# Altium PCB controller_V1.1.PcbDoc (part 1 of 6)
Units mm, origin at the board's own origin, x right, y up, seen from the top; angles counter-clockwise.
Board outline 150 x 150 mm, 2 copper layers (Top Layer, Bottom Layer); 287 components, 242 nets, 1096 pads, 5968 vias.
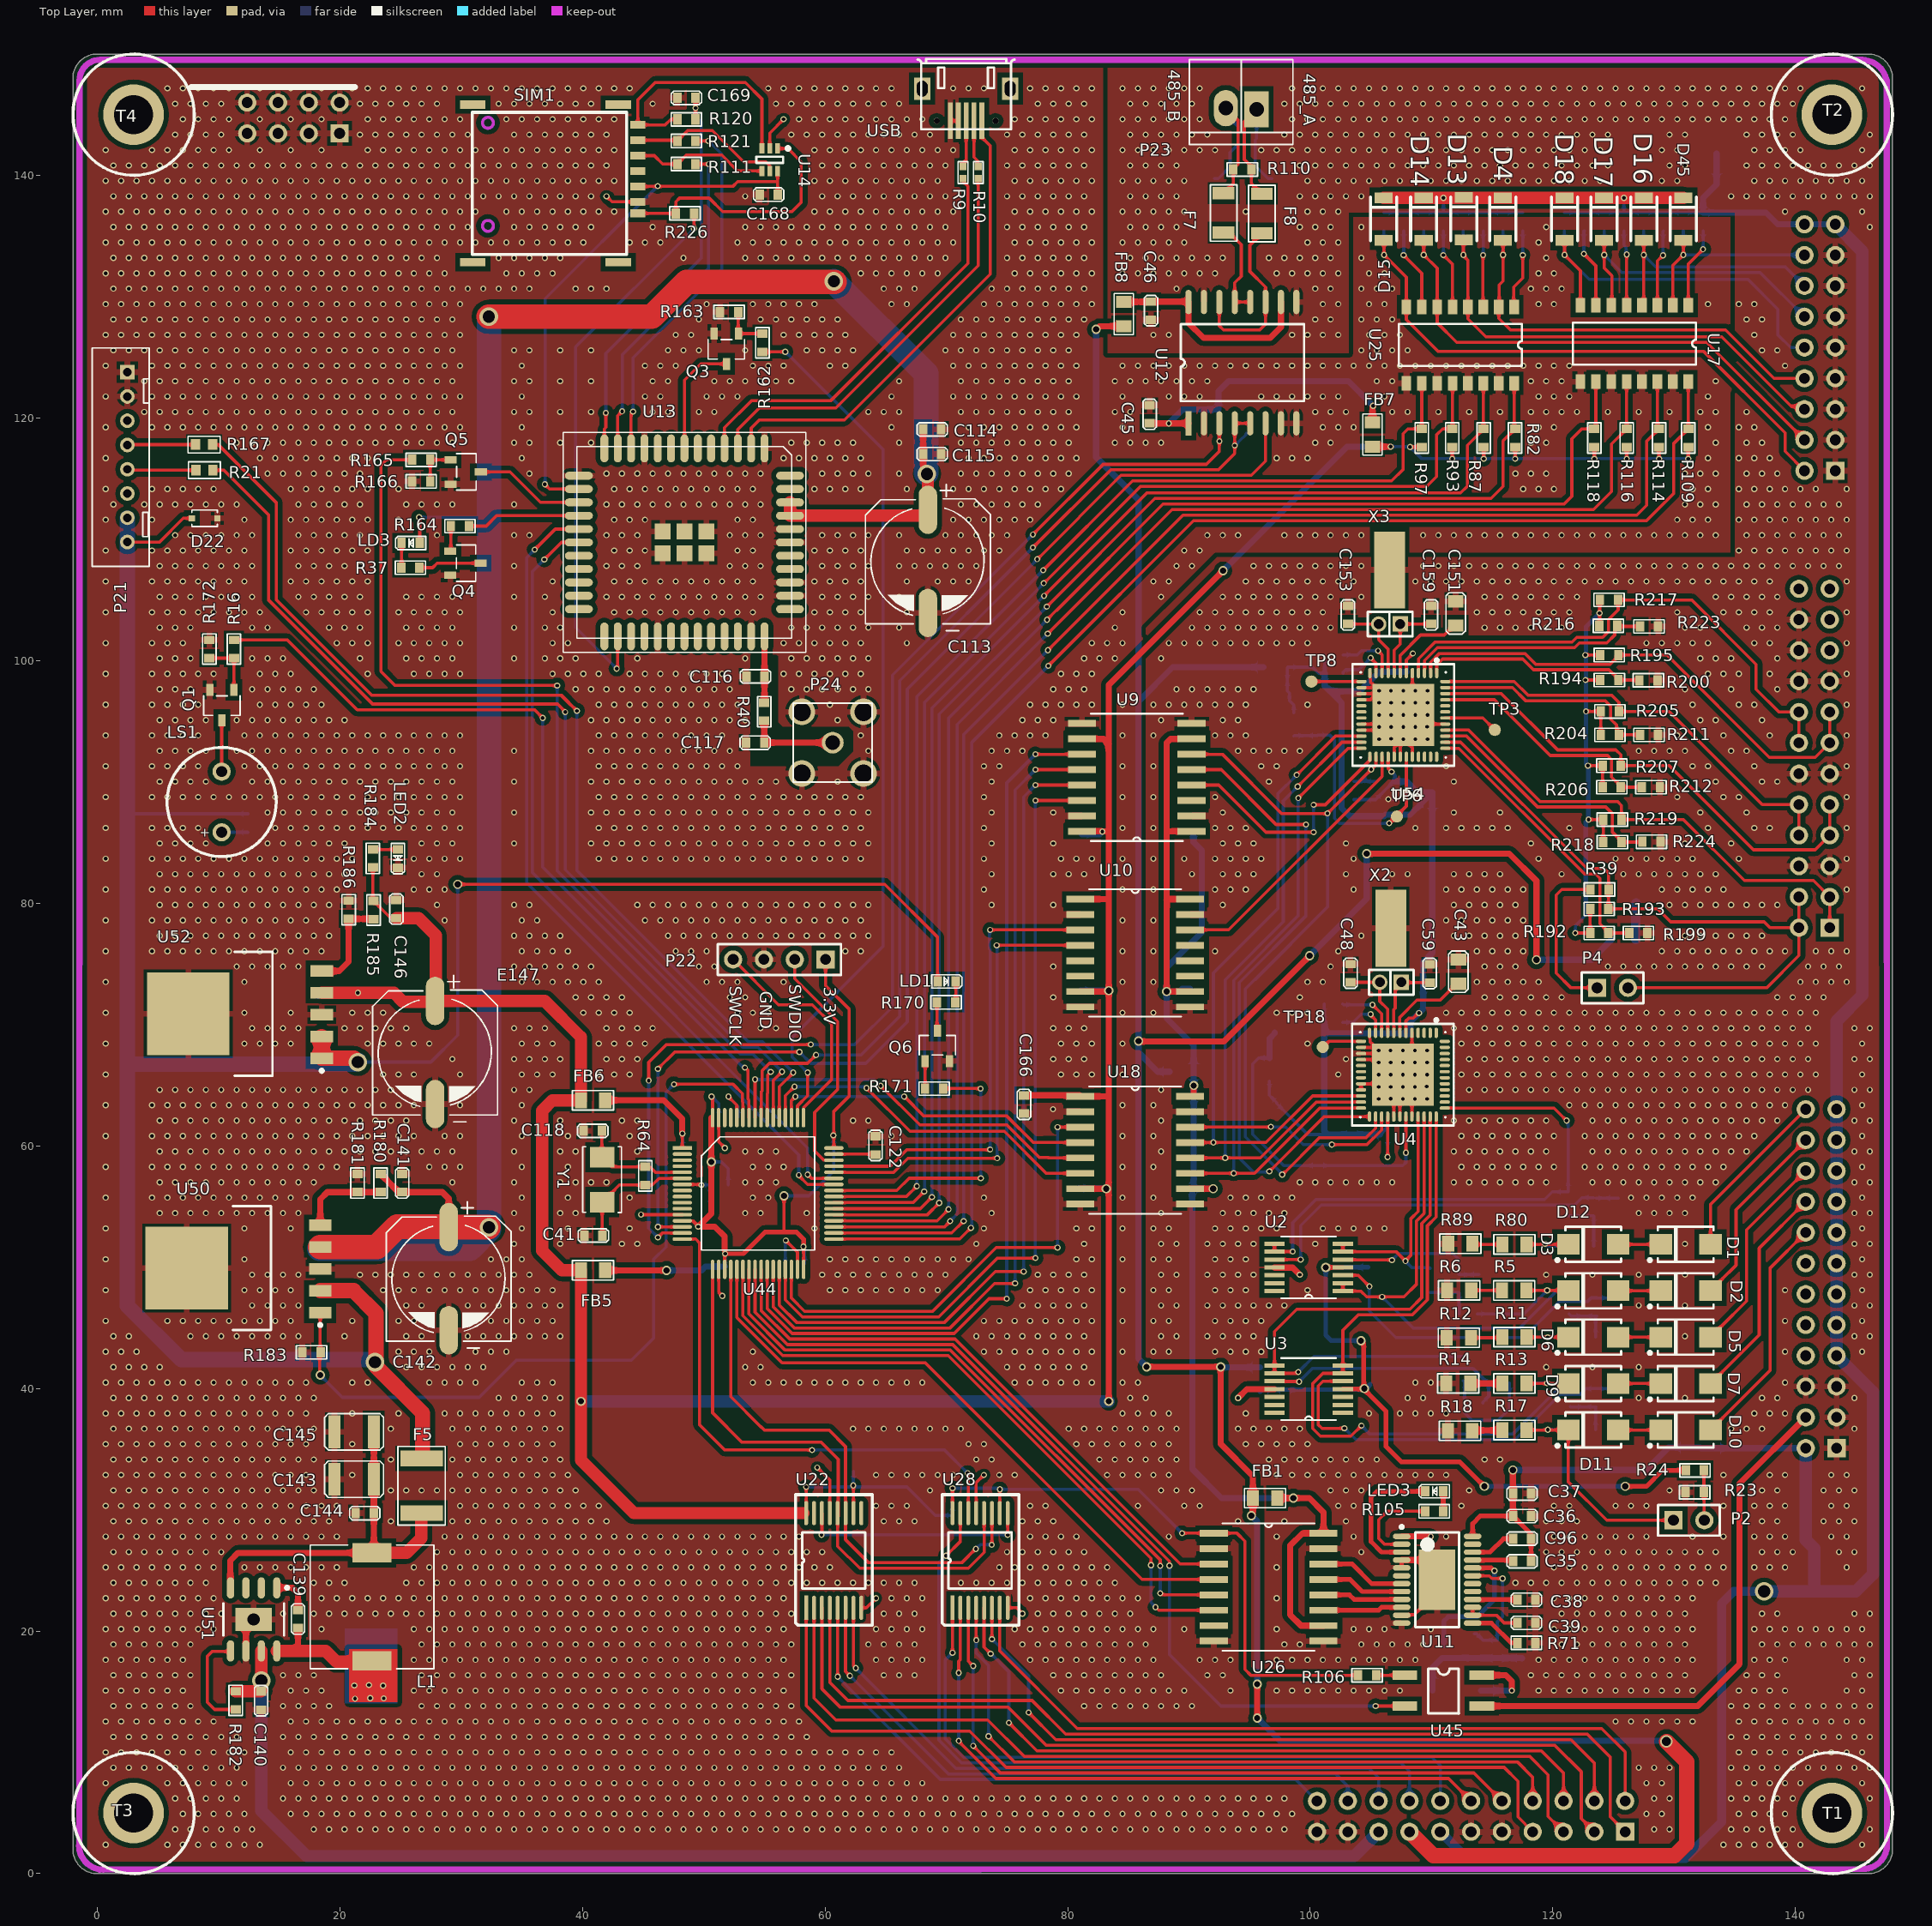
[diagram p0: Top Layer view]
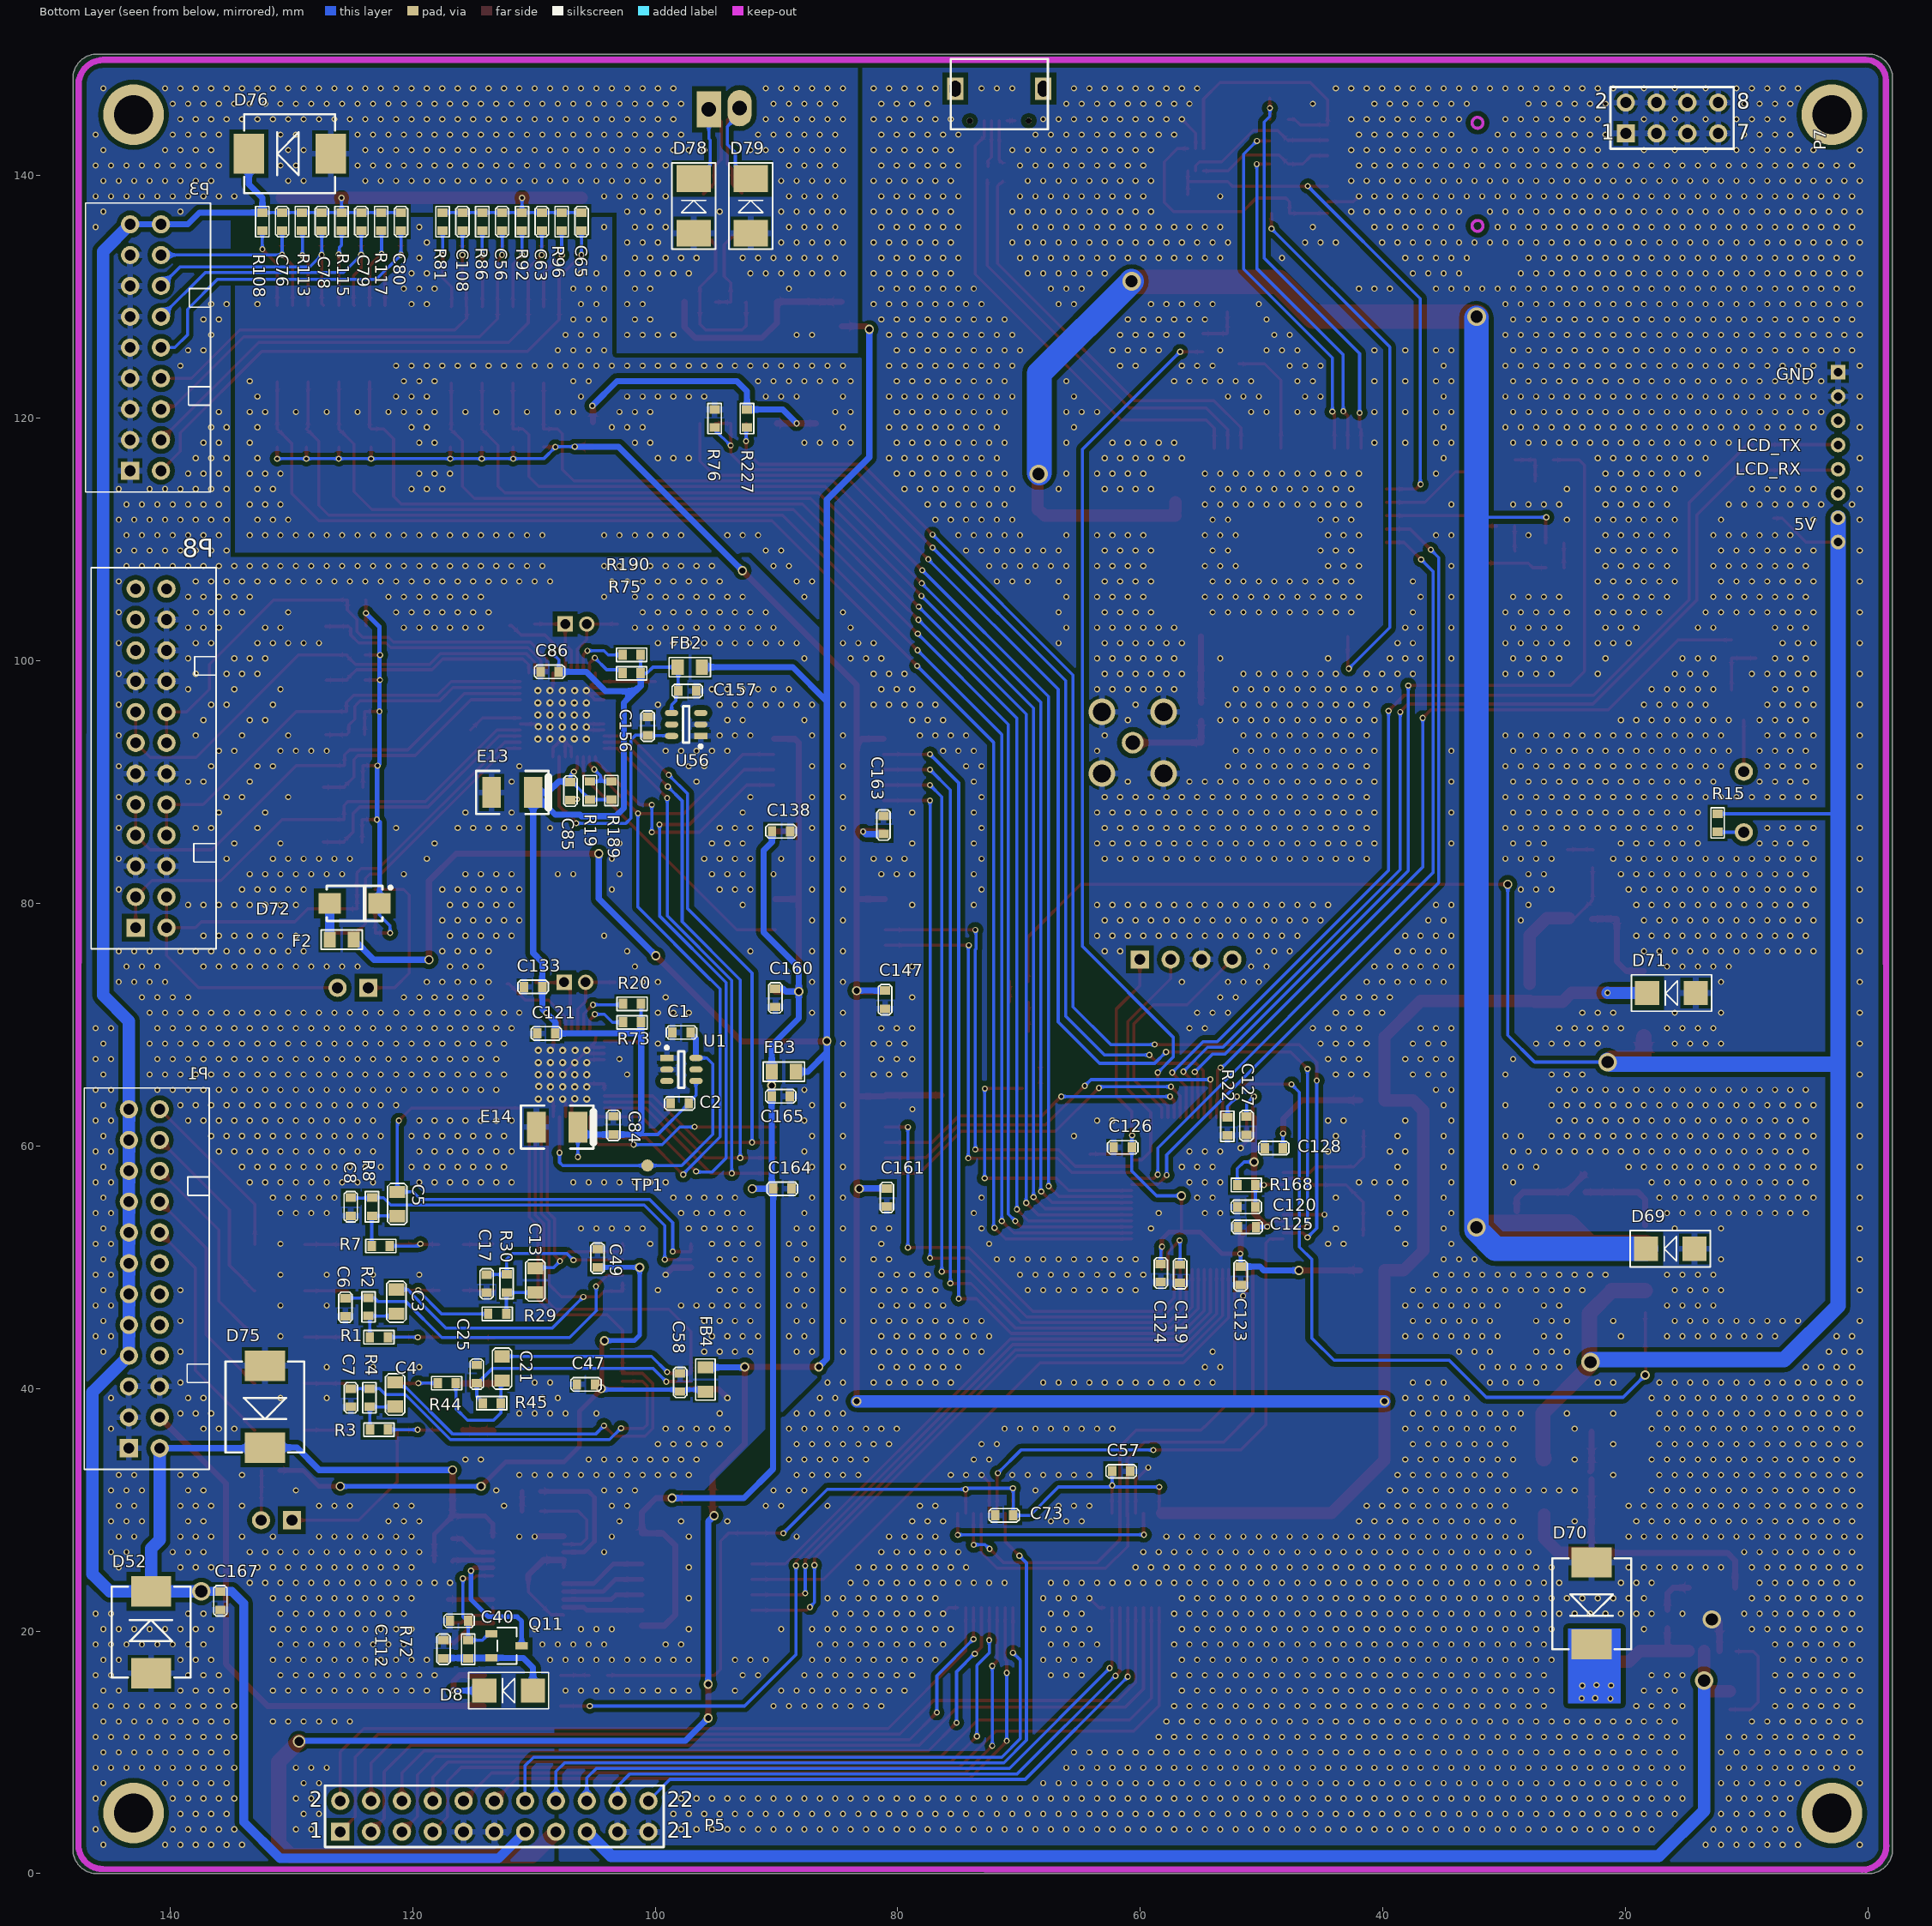
[diagram p1: Bottom Layer view, seen from below]

## Layer stack, top to bottom
Top Solder: solder mask 0.0102, Solder Resist, Dk 3.5
Top Layer: signal copper 0.0356
Dielectric2: prepreg 0.32, FR-4, Dk 4.8
Bottom Layer: signal copper 0.0356
Bottom Solder: solder mask 0.0102, Solder Resist, Dk 3.5

## Board outline
-2,2 -2,148 cw(c0,148) 0,150 146,150 cw(c146,148) 148,148 148,2 cw(c146,2) 146,0 0,0 cw(c0,2)

## Design rules (kind name [scope] priority, off if disabled: settings)
Clearance [InPolygon] p1: gap=0.381 ignorepadtopadclearanceinfootprint=FALSE
Clearance Clearance_1 [All] p2: gap=0.127 ignorepadtopadclearanceinfootprint=FALSE
DiffPairsRouting [All] p1: maxlimit=0.254 minlimit=0.254 mostfreqgap=0.254 toplayer_minwidth=0.203 toplayer_maxwidth=0.381 toplayer_prefwidth=0.381 bottomlayer_minwidth=0.203 bottomlayer_maxwidth=0.381 bottomlayer_prefwidth=0.381 maxuncoupledlength=12.7
HoleToHoleClearance [All] p1: gap=0.127 allowstackedmicrovias=TRUE
MinimumSolderMaskSliver [All] p1: minsoldermaskwidth=0.127
PolygonConnect PolygonConnect_1 [IsVia] p1: connectstyle=Direct reliefconductorwidth=0.254 reliefentries=4 polygonreliefangle="90 Angle" airgapwidth=0.254
PolygonConnect [All] p2: connectstyle=Relief reliefconductorwidth=0.508 reliefentries=4 polygonreliefangle="90 Angle" airgapwidth=0.254
RoutingVias [All] p1: holewidth=0.254 width=0.508 viastyle="Through Hole" minholewidth=0.254 minwidth=0.508 maxholewidth=2.54 maxwidth=5.08
SilkToSilkClearance [All] p1: silktosilkclearance=0.127
SilkToSolderMaskClearance SilkscreenOverComponentPads [IsPad] p1: minsilkscreentomaskgap=0 clearancetoexposedcopper=TRUE
SolderMaskExpansion [All] p1: expansion=0.102 istentingtop=FALSE
Width [All] p1: maxlimit=5.08 minlimit=0.254 preferedwidth=0.254
25 further rules are at their usual default settings.

## Classes and differential pairs
net class N000-2_[0..19]: N000-2_0 N000-2_1 N000-2_2 N000-2_3 N000-2_4 N000-2_5 N000-2_6 N000-2_7 N000-2_8 N000-2_9 N000-2_10 N000-2_11 N000-2_12 N000-2_13 N000-2_14 N000-2_15 N000-2_16 N000-2_17 N000-2_18 N000-2_19
net class N000-1_[0..11]: N000-1_0 N000-1_1 N000-1_2 N000-1_3 N000-1_4 N000-1_5 N000-1_6 N000-1_7 N000-1_8 N000-1_9 N000-1_10 N000-1_11
component class rs485: C45 C46 D78 D79 F7 F8 FB7 FB8 P23 R76 R110 R227 U12
component class ai: C1 C2 C3 C4 C5 C6 C7 C8 C13 C17 C21 C25 C43 C47 C48 C49 C58 C59 C84 C85 C86 C121 C133 C138 C147 C160 C161 C163 C164 D1 D2 D3 D5 D6 D7 D9 D10 D11 D12 D52 E13 E14 FB1 FB2 FB4 P1 P2 R1 R2 R3 R4 R5 R6 R7 R8 R11 R12 R13 R14 R17 R18 R19 R20 R23 R24 R29 R30 R44 R45 R73 R80 R89 TP1 TP18 U1 U2 U3 U4 U9 U10 U18 X2
component class ao: C35 C36 C37 C38 C39 C40 C96 C112 C165 C166 C167 D8 D75 FB3 LED3 Q11 R71 R72 R105 R106 U11 U26 U45
component class di: C56 C63 C65 C76 C78 C79 C80 C108 D4 D13 D14 D15 D16 D17 D18 D45 D76 P3 R81 R82 R86 R87 R92 R93 R96 R97 R108 R109 R113 R114 R115 R116 R117 R118 U17 U25
component class IO_ctrl: C57 C73 P5 P7 U22 U28
component class LTE: C113 C114 C115 C116 C117 C168 C169 LD3 P6 P24 Q3 Q4 Q5 R9 R10 R37 R40 R111 R120 R121 R161 R162 R163 R164 R165 R166 R226 SIM1 U13 U14 USB
component class mcu: C41 C118 C119 C120 C122 C123 C124 C125 C126 C127 C128 D22 FB5 FB6 LD1 LS1 P21 P22 Q1 Q6 R15 R16 R21 R22 R64 R167 R168 R170 R171 R172 U44 Y1
component class power: C139 C140 C141 C142 C143 C144 C145 C146 D69 D70 D71 E147 F5 L1 LED2 R180 R181 R182 R183 R184 R185 R186 T1 T2 T3 T4 U50 U51 U52
component class pt100: C151 C153 C156 C157 C159 D72 F2 P4 P8 R39 R75 R189 R190 R192 R193 R194 R195 R199 R200 R204 R205 R206 R207 R211 R212 R216 R217 R218 R219 R223 R224 TP3 TP6 TP8 U54 U56 X3
net class DO_O[0..19]: DO_O0 DO_O1 DO_O2 DO_O3 DO_O4 DO_O5 DO_O6 DO_O7 DO_O8 DO_O9 DO_O10 DO_O11 DO_O12 DO_O13 DO_O14 DO_O15 DO_O16 DO_O17 DO_O18 DO_O19
net class DO[0..19]: DO0 DO1 DO2 DO3 DO4 DO5 DO6 DO7 DO8 DO9 DO10 DO11 DO12 DO13 DO14 DO15 DO16 DO17 DO18 DO19
net class DI[0..11]: DI0 DI1 DI2 DI3 DI4 DI5 DI6 DI7 DI8 DI9 DI10 DI11
differential pair MB_RX1: +MB_RX1_P -MB_RX1_N

## Components (designator, comment, footprint, x,y, rotation, side; value= is the part's Value field where it differs from the comment)
C1 "1uF" 0603C 97.076,69.342 r0 bottom
C2 "0.1uF" 0603C 98.727,63.5 r180 bottom
C3 "220nF" 0805C 121.336,46.152 r90 bottom
C4 "220nF" 0805C 121.437,38.506 r90 bottom
C5 "220nF" 0805C 121.26,54.204 r90 bottom
C6 "0.1uF" 0603C 125.54,45.944 r90 bottom
C7 "0.1uF" 0603C 125.08,38.48 r90 bottom
C8 "0.1uF" 0603C 125.095,54.228 r90 bottom
C13 "220nF" 0805C 109.88,47.904 r90 bottom
C17 "0.1uF" 0603C 113.894,47.879 r90 bottom
C21 "220nF" 0805C 112.624,40.64 r90 bottom
C25 "0.1uF" 0603C 114.706,41.937 r270 bottom
C35 "0.01uF" 0603C 116.708,25.756 r0 top
C36 "0.01uF" 0603C 118.208,29.481 r180 top
C37 "0.1uF" 0603C 118.208,31.344 r180 top
C38 "0.1uF" 0603C 117.065,22.581 r0 top
C39 "0.1uF" 0603C 117.065,20.676 r0 top
C40 "0.1uF" 0603C 116.916,20.853 r180 bottom
C41 "20p" 0603c 40.157,52.603 r0 top
C43 "22nF" 0805C 112.207,73.355 r90 top
C45 "0.1uF" 0603C 86.764,121.056 r270 top
C46 "0.1uF" 0603C 86.865,128.092 r90 top
C47 "0.1uF" 0603C 106.451,40.335 r180 bottom
C48 "4.7pF" 0603C 103.317,73.482 r90 top
C49 "0.1uF" 0603C 104.75,51.486 r270 bottom
C56 "10nF/50V" 0603C 112.616,136.931 r270 bottom value=22nF
C57 "0.1uF" 0603C 62.332,33.172 r180 bottom
C58 "0.1uF" 0603C 97.942,41.246 r270 bottom
C59 "4.7pF" 0603C 109.855,73.457 r90 top value=6.8pF
C63 "10nF/50V" 0603C 109.343,136.931 r270 bottom value=22nF
C65 "10nF/50V" 0603C 106.07,136.931 r270 bottom value=22nF
C73 "0.1uF" 0603C 70.485,29.54 r0 bottom
C76 "10nF/50V" 0603C 130.752,136.931 r270 bottom value=22nF
C78 "10nF/50V" 0603C 127.486,136.931 r270 bottom value=22nF
C79 "10nF/50V" 0603C 124.221,136.931 r270 bottom value=22nF
C80 "10nF/50V" 0603C 120.955,136.931 r270 bottom value=22nF
C84 "0.01uF" 0603C 103.444,62.433 r270 bottom
C85 "0.1uF" 0603C 106.985,88.494 r90 bottom
C86 "0.1uF" 0603C 109.449,99.077 r180 bottom
C96 "0.01uF" 0603C 116.708,27.618 r0 top
C108 "10nF/50V" 0603C 115.889,136.931 r270 bottom value=22nF
C112 "0.01uF" 0603C 117.446,19.255 r270 bottom
C113 "220uF/50V" Φ10×10 68.478,108.179 r0 top value=100pF
C114 "100nF/50V" 0603C 69.584,119.059 r180 top value=22nF
C115 "33pF/50V" 0603C 69.584,117.027 r180 top value=22nF
C116 "NC" 0603c 55.016,98.693 r180 top value=22nF
C117 "NC" 0603c 54.994,93.232 r180 top value=22nF
C118 "20p" 0603c 40.107,61.239 r0 top
C119 "2.2uF/50V" 0603C 56.732,48.703 r90 bottom value=22nF
C120 "0.1uF/50V" 0603C 52.019,54.966 r180 bottom value=22nF
C121 "0.1uF" 0603C 109.728,69.266 r180 bottom
C122 "2.2uF/50V" 0603C 64.16,60.782 r270 top value=22nF
C123 "0.1uF/50V" 0603C 51.74,48.539 r90 bottom value=22nF
C124 "0.1uF/50V" 0603C 58.318,48.768 r90 bottom value=22nF
C125 "0.1uF/50V" 0603C 51.966,53.315 r180 bottom value=22nF
C126 "0.1uF/50V" 0603C 62.205,59.868 r180 bottom value=22nF
C127 "0.1uF/50V" 0603C 51.255,60.909 r90 bottom value=22nF
C128 "0.1uF/50V" 0603C 49.756,59.817 r180 bottom value=22nF
C133 "0.1uF" 0603C 110.81,73.101 r180 bottom
C138 "0.1uF" 0603C 88.875,85.928 r0 bottom
C139 "0.01uF" 0603C 16.558,20.244 r90 top
C140 "1uF" 0603C 13.51,13.513 r90 top
C141 "0.1uF/50V" 0603C 25.143,57.685 r270 top value=22nF
C142 "470uF/50V" Φ10×10 28.981,49.047 r0 top value=100pF
C143 "22uF/10V" 1210C 22.807,32.518 r180 top
C144 "0.1uF" 0603C 22.809,29.718 r180 top
C145 "22uF/10V" 1210C 22.807,36.424 r180 top
C146 "0.1uF/50V" 0603C 24.661,80.264 r270 top value=22nF
C147 "0.1uF" 0603C 81.051,71.298 r90 bottom
C151 "22nF" 0805C 111.989,102.887 r90 top
C153 "4.7pF" 0603C 103.099,103.014 r90 top
C156 "1uF" 0603C 100.62,93.845 r90 bottom
C157 "0.1uF" 0603C 96.608,97.503 r0 bottom
C159 "4.7pF" 0603C 109.957,103.014 r90 top value=6.8pF
C160 "0.1uF" 0603C 90.091,71.45 r90 bottom
C161 "0.1uF" 0603C 80.899,54.991 r90 bottom
C163 "0.1uF" 0603C 81.176,87.198 r270 bottom
C164 "0.1uF" 0603C 88.773,56.464 r0 bottom
C165 "0.1uF" 0603C 88.9,64.084 r0 bottom
C166 "0.1uF" 0603C 76.401,62.662 r90 top
C167 "0.1uF" 0603C 135.839,21.742 r90 bottom
C168 "0.1uF/10V" 0603c 54.61,138.413 r0 top
C169 "0.1uF/10V" 0603c 49.327,146.389 r180 top
D1 "SS14" DO-214AC 130.947,51.88 r180 top
D2 "SS14" DO-214AC 130.947,48.054 r180 top
D3 "SS14" DO-214AC 123.327,48.054 r180 top
D4 "LL4148" DO-213AB/LL34/MiniMELF 115.875,136.398 r270 top
D5 "SS14" DO-214AC 130.947,44.228 r180 top
D6 "SS14" DO-214AC 123.327,44.228 r180 top
D7 "SS14" DO-214AC 130.947,40.402 r180 top
D8 "SS36" sma 110.08,15.088 r0 bottom
D9 "SS14" DO-214AC 123.327,40.402 r180 top
D10 "SS14" DO-214AC 130.947,36.576 r180 top
D11 "SS14" DO-214AC 123.327,36.576 r180 top
D12 "SS14" DO-214AC 123.327,51.88 r180 top
D13 "LL4148" DO-213AB/LL34/MiniMELF 112.649,136.423 r270 top
D14 "LL4148" DO-213AB/LL34/MiniMELF 109.347,136.398 r270 top
D15 "LL4148" DO-213AB/LL34/MiniMELF 106.045,136.398 r270 top
D16 "LL4148" DO-213AB/LL34/MiniMELF 127.508,136.398 r270 top
D17 "LL4148" DO-213AB/LL34/MiniMELF 124.206,136.398 r270 top
D18 "LL4148" DO-213AB/LL34/MiniMELF 120.955,136.398 r270 top
D22 "CESDB5V0D5" sod323 9.906,111.732 r180 top
D45 "LL4148" DO-213AB/LL34/MiniMELF 130.759,136.398 r270 top
D52 "SMCJ36CA" SMC 141.554,16.516 r90 bottom
D69 "5.1V" SMA 14.323,51.511 r0 bottom
D70 "SS54" SMC 22.807,25.66 r270 bottom
D71 "5.1V" SMA 14.224,72.593 r0 bottom
D72 "SS14" DO-214AC 124.772,79.985 r180 bottom
D75 "SMCJ36CA" SMC 132.168,41.876 r270 bottom
D76 "SMCJ36CA" smc 126.746,141.783 r0 bottom
D78 "SMBJ6.5A" SMB 96.822,135.23 r90 bottom
D79 "SMBJ6.5A" SMB 92.123,135.23 r90 bottom
E13 "10uF/16V" C3528 110.058,89.129 r0 bottom
E14 "10uF/16V" C3528 106.365,61.544 r0 bottom
E147 "47uF/50V" Φ10×10 27.861,67.691 r0 top value=100pF
F2 "1A" 0805r 124.84,76.996 r0 bottom
F5 "3A" 1812-F 26.744,29.724 r90 top
F7 "SMD1210P020TS" 1206R 92.86,135.28 r90 top
F8 "SMD1210P020TS" 1206R 96.009,135.23 r90 top
FB1 "JWWBW2012 M600HT" 0805R 95.275,30.963 r0 top
FB2 "JWWBW2012 M600HT" 0805R 96.15,99.458 r0 bottom
FB3 "JWWBW2012 M600HT" 0805R 88.392,66.116 r0 bottom
FB4 "JWWBW2012 M600HT" 0805R 95.86,41.732 r270 bottom
FB5 "JWWBW2012 M600HT" 0805R 39.878,49.733 r0 top
FB6 "JWWBW2012 M600HT" 0805R 39.878,63.754 r0 top
FB7 "JWWBW2012 M600HT" 0805CZ 105.131,119.634 r270 top
FB8 "JWWBW2012 M600HT" 0805CZ 84.63,129.565 r270 top
L1 "CDRH105NP-100NC" CDRH105 27.76,16.897 r180 top
LD1 "LED_Green_19-217" 0603led 69.284,73.552 r0 top value=19-217/G7C-AN1P2/3T
LD3 "LED_Green_19-217" 0603led 26.594,109.692 r180 top value=19-217/G7C-AN1P2/3T
LED2 "5V" 0603LED 24.79,84.43 r270 top
LED3 "LED" 0603LED 110.969,31.521 r180 top
LS1 "Speaker" BUFFER_0905 10.262,85.849 r90 top
P1 "Header 12X2" XH2.54_2X12 143.383,35.077 r90 bottom
P2 "Header 2" HDR1X2 129.946,29.134 r0 top
P3 "Header 9X2" XH2.54_2X9 143.281,115.646 r90 bottom
P4 "Header 2" HDR1X2 123.647,73.025 r0 top
P5 "Header 11X2" HDR2X11 125.959,3.454 r180 bottom locked
P7 "Header 4X2" HDR2X4 19.99,143.459 r180 bottom locked
P8 "Header 12X2" XH2.54_2x12 142.824,77.978 r90 bottom
P21 "Header 8" 2.0x8 2.489,123.772 r270 top
P22 "Header 4" HDR1X4 60.046,75.362 r180 top
P23 "Header 2" 2X2.54MMZ 95.578,145.44 r180 top
P24 "Header 5" KH-SMA-KE-Z 60.632,93.232 r0 top
Q1 "MMBT3904" SOT23-3 11.278,97.587 r90 top
Q3 "MMBT3904" SOT23-3 52.865,126.958 r90 top
Q4 "MMBT3904" SOT23-3 29.111,109.031 r180 top
Q5 "MMBT3904" SOT23-3 29.134,116.55 r180 top
Q6 "MMBT3904" SOT23-3 68.259,66.988 r270 top
Q11 "MMBT3904" SOT23-3 113.509,19.787 r0 bottom
R1 "51K" 0603R#1 123.522,44.221 r180 bottom
R2 "51K" 0603R#1 123.635,47.468 r270 bottom
R3 "51K" 0603R#1 123.52,36.601 r180 bottom
R4 "51K" 0603R#1 123.556,39.98 r270 bottom
R5 "49.9R_1%" 0805R 115.809,48.079 r0 top
R6 "49.9R_1%" 0805R 111.276,48.09 r0 top
R7 "51K" 0603R#1 123.368,51.74 r180 bottom
R8 "51K" 0603R#1 123.342,55.729 r270 bottom
R9 "22" 0402R 71.374,140.725 r270 top value=NC
R10 "22" 0402R 72.644,140.725 r270 top value=NC
R11 "49.9R_1%" 0805R 115.834,44.228 r0 top
R12 "49.9R_1%" 0805R 111.251,44.179 r0 top
R13 "49.9R_1%" 0805R 115.834,40.402 r0 top
R14 "49.9R_1%" 0805R 111.2,40.419 r0 top
R15 "100" 0603R#1 12.421,87.373 r270 bottom
R16 "1K" 0603r 11.278,100.203 r90 top
R17 "49.9R_1%" 0805R 115.834,36.576 r0 top
R18 "49.9R_1%" 0805R 111.346,36.508 r0 top
R19 "5.1K" 0603R#1 105.385,88.536 r90 bottom
R20 "1.5K" 0603R#1 101.158,71.704 r0 bottom
R21 "1K" 0603R#2 8.839,115.694 r180 top
R22 "100K" 0603R#1 52.832,62.357 r270 bottom
R23 "51K" 0603R#1 130.936,31.445 r0 top
R24 "51K" 0603R#1 132.462,33.249 r180 top
R29 "51K" 0603R#1 112.268,46.152 r0 bottom
R30 "51K" 0603R#1 112.243,49.403 r270 bottom
R37 "1K" 0603R#1 25.07,107.66 r0 top
R39 "100" 0603R#1 124.597,81.128 r180 top
R40 "0" 0603r 54.991,96.534 r270 top value=1K
R44 "51K" 0603R#1 116.434,40.437 r0 bottom
R45 "51K" 0603R#1 114.224,38.786 r180 bottom
R64 "1M" 0603R#1 45.184,56.769 r90 top
R71 "15K/0.1%" 0603R#1 117.065,19.025 r0 top